# KiCad board FC_V5.kicad_pcb (continued)
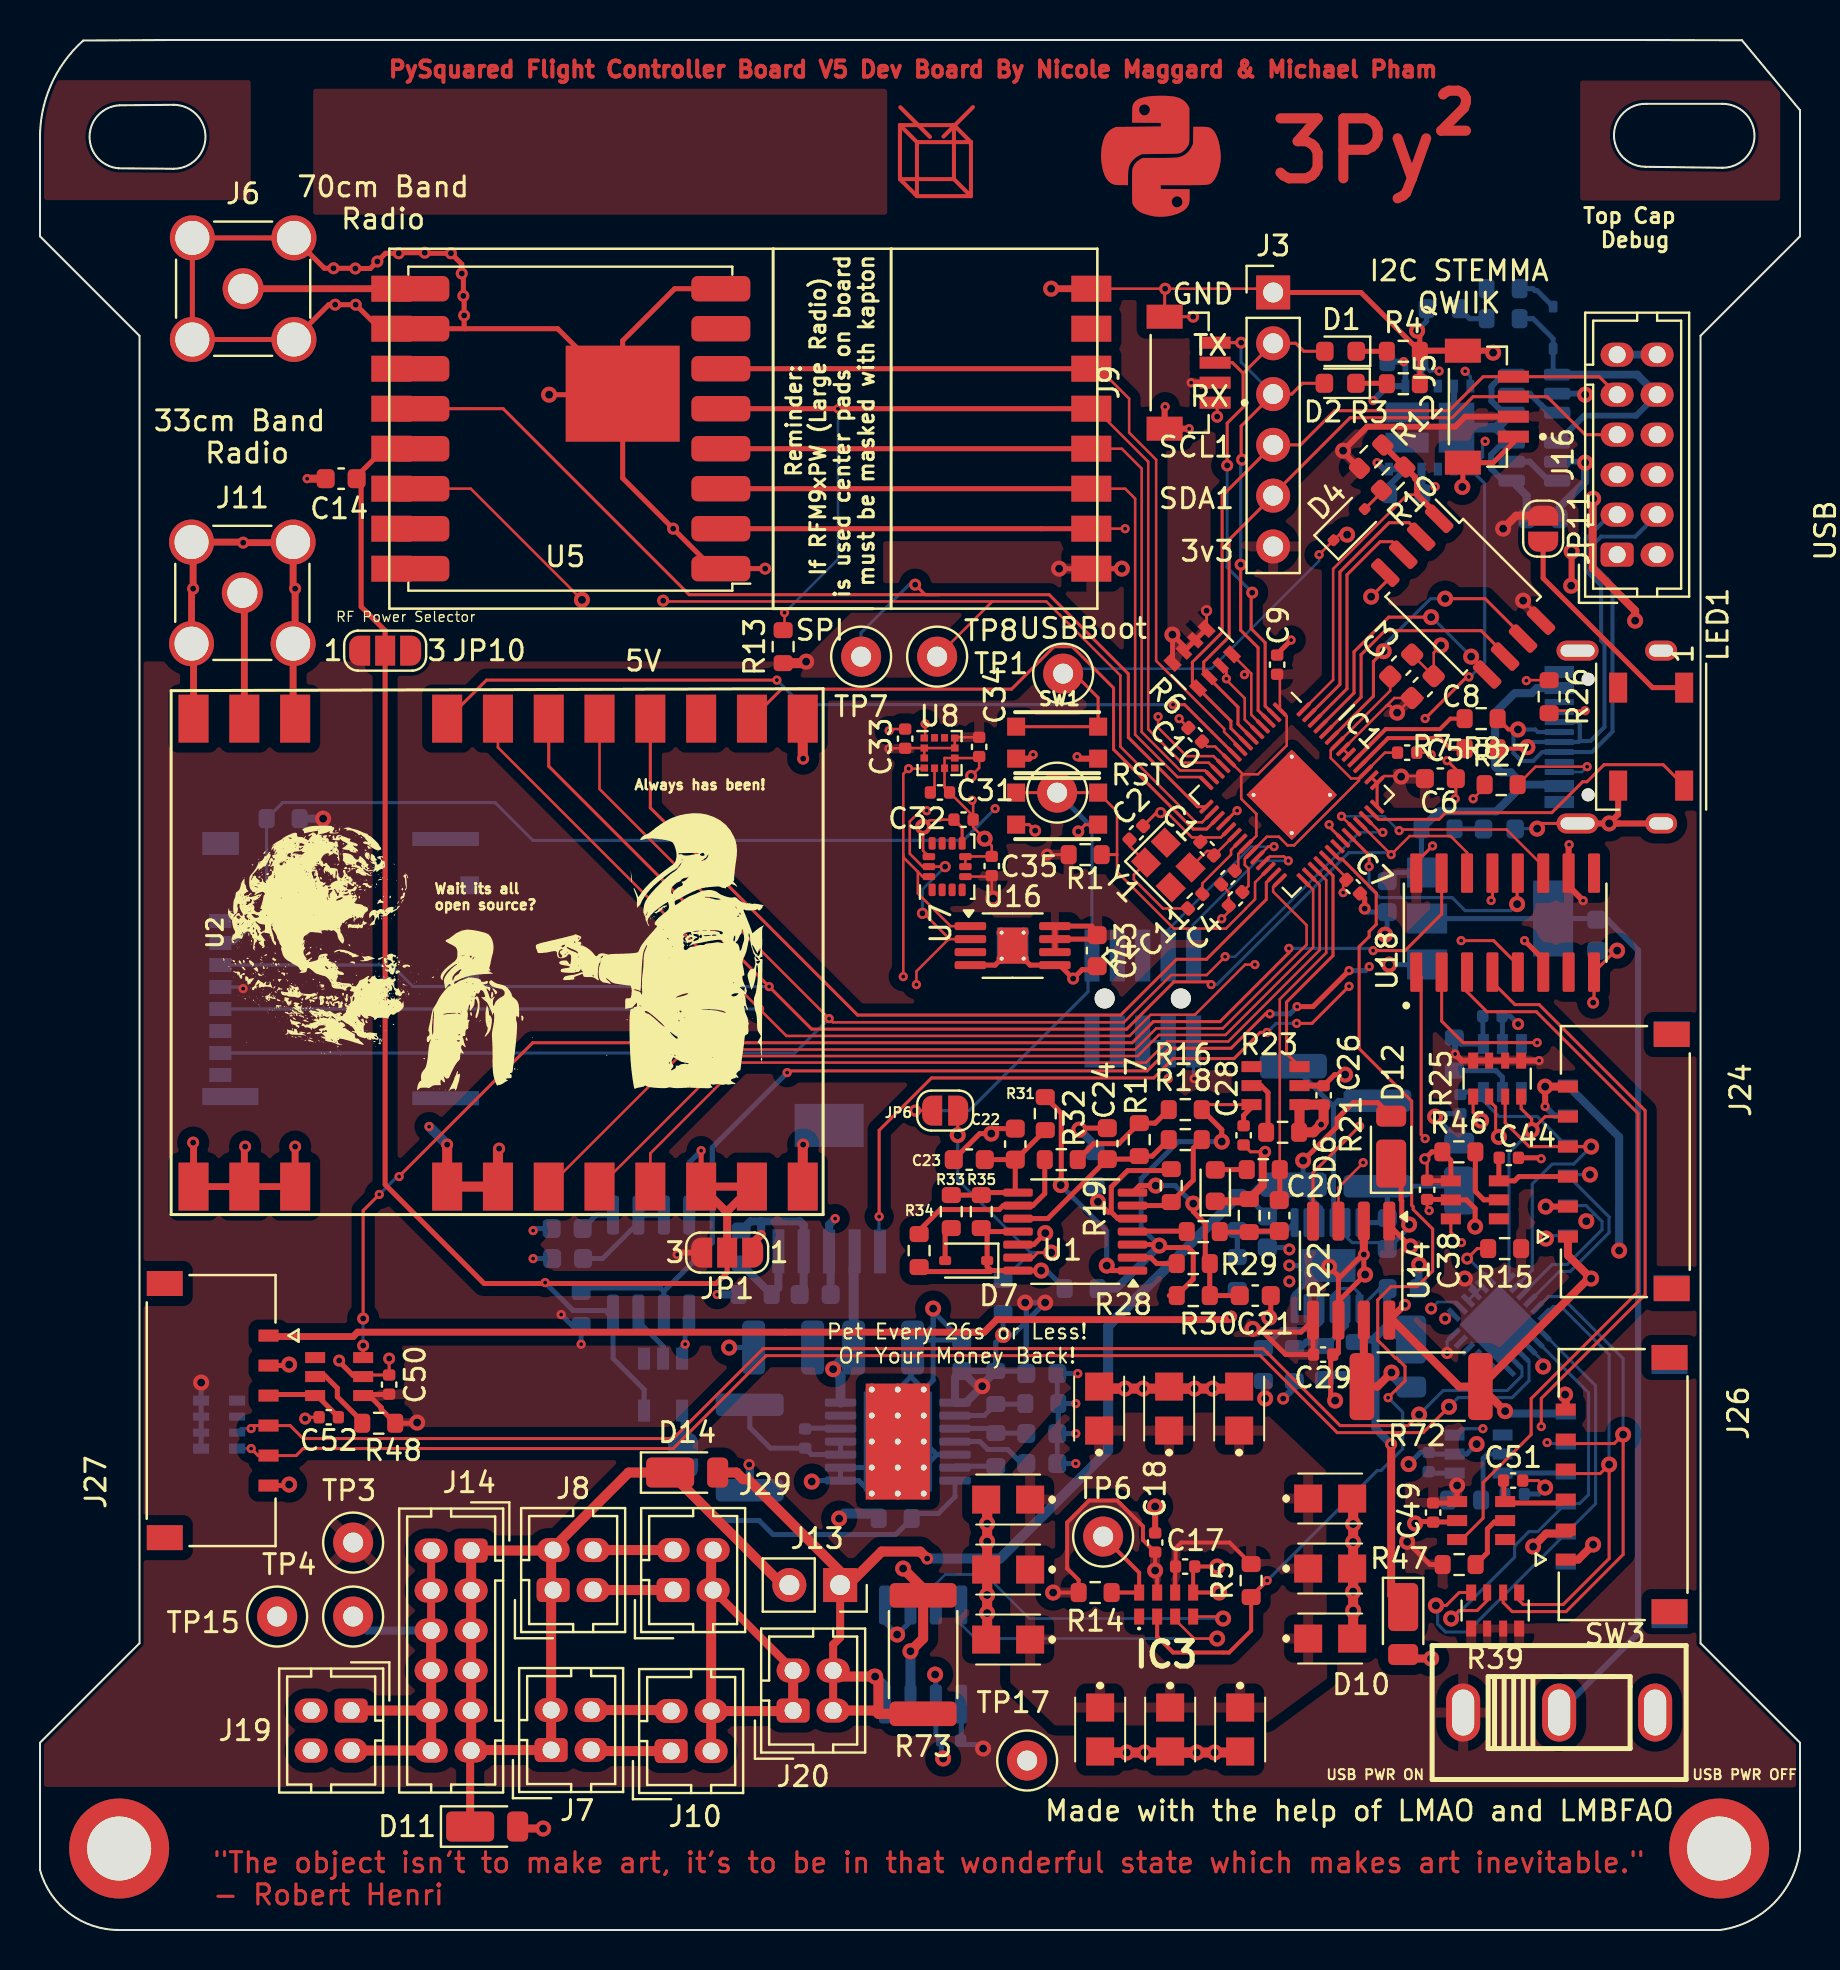
[diagram p0: board, top side]
## Routing (per net, layer and track width the routed paths; a pad name or vN(x,y) marks a point on that pad's centre or on a via; arc(x,y) is an arc through that point) (continued)
VBatt: length 47.7
  Top w0.4: J14.11 21.51,8.92 D11.1
  Top w0.5: J13.2 37.13,17.25 D14.1 29.43,22.87 25.53,18.97 J14.1 J14.3 J14.5 J14.7 J14.9 J14.11 21.58,9 J7.1 25.56,19
VBATT_SENSE: length 75
  Top w0.25: v1(63.16,38.47) 64.86,40.17 64.86,40.57 65.66,41.37 66.88,41.37 D12.2
  Top w0.4: J20.2 J20.4 39.66,14.27 40.01,14.62 J13.1
  Top w0.5: v2(44.36,18.57) 44.01,18.92 42.08,18.92 39.96,16.8 39.96,17.97 35.39,22.54 35.15,22.54 34.82,22.87 D14.2 ; v1(41.76,12.67) 41.63,12.8 ; v1(41.76,12.67) 41.92,12.51 41.92,10.81 ; v1(41.76,12.67) 39.96,12.67 J20.4 ; J20.2 41.76,10.97 41.92,10.81 ; 41.92,10.81 R73.2
  Bottom w0.25: 60.49,36.76 61,37.27 R75.1 ; 60.49,36.76 60.49,36.56 C42.1 62.67,36.98 R75.1 ; 60.49,36.76 60.39,36.66 R71.2 ; R75.1 62.86,37.27 64.03,36.1 IC6.9 ; R75.1 63.16,37.76 v1(63.16,38.47)
  Bottom w0.5: U15.8 42.25,12.18 v1(41.76,12.67) ; R71.2 53.41,30.2 53.41,23.98 48,18.57 v2(44.36,18.57)
VBUS: length 20.9
  Bottom w0.25: C12.1 67.78,52.87 IC2.3 69.07,53.16 R9.1 69.36,54.78
  Bottom w0.4: R9.1 69.95,55.94 72.82,55.94 74.16,57.27 ; 74.16,57.27 73.55,57.88 73.05,57.88 72.76,58.17 72.76,60.87 73.73,61.85 74.58,61.85 74.84,62.1 J12.A4 ; 74.16,57.27 75.89,57.27 J12.A9
VBUS_RESET: length 61
  Top w0.152: v3(37.36,42.87) 37.44,42.96 55.36,42.96 56.49,44.09 59.55,44.09 61.28,45.81 v3(61.49,45.81)
  Top w0.25: v3(74.23,49.47) 75.16,48.54 U18.6 ; v3(65.45,47.97) 63.65,46.17 v3(62.86,46.17)
  In2.Cu w0.25: v3(74.23,49.47) 72.3,47.55 67.09,47.55 v3(66.46,48.17)
  Bottom w0.25: v3(62.86,46.17) 62.5,45.81 v3(61.49,45.81) ; R42.1 27.26,32.1 31.03,32.1 31.19,31.94 ; v3(66.46,48.17) 66.26,47.97 v3(65.45,47.97) ; 31.19,31.94 33.61,34.36 33.61,39.13 v3(37.36,42.87) ; 31.19,31.94 31.19,30.8
VBUSP: length 151.8
  Top w0.3: v1(76.56,67.22) 76.58,67.25 v1(76.58,68.94)
  Top w0.4: 77.13,73.25 v1(77.26,73.37)
  Top w0.5: v1(43.16,18.07) 44.16,17.07 R73.1 44.16,14.57 v1(43.52,13.94)
  In2.Cu w0.3: v1(77.26,76.77) v1(77.26,73.37) 76.66,72.77 76.66,69.01 v1(76.58,68.94) ; TP17.1 49.36,5.82 49.56,5.62 ; 49.56,5.62 59.43,5.62 68.13,14.32 76.13,14.32 80.06,18.25 80.06,27.4 76.21,31.25 76.21,33.13 80.96,37.88 80.96,53.07 79.26,54.77 79.26,64.52 v1(76.56,67.22) ; 49.56,5.62 46.05,5.62 43.56,8.11 43.56,13.9 v1(43.52,13.94)
  In2.Cu w0.5: v1(39.66,28.05) 39.66,20.87 v1(39.96,20.57) 40.66,20.57 v1(43.16,18.07)
  Bottom w0.3: Q7.5 77.21,73.42 v1(77.26,73.37) ; v1(77.26,76.77) 77.21,76.82 Q8.5
  Bottom w0.4: R59.1 75.98,71.15 77.26,72.43 v1(77.26,73.37)
  Bottom w0.5: 42.06,20.82 40.21,20.82 v1(39.96,20.57) ; U10.14 40.03,27.68 v1(39.66,28.05) 39.66,28.1 C19.1 ; C19.1 40.68,33.08 ; C19.1 40.03,28.47 ; v1(43.52,13.94) U15.7
/ANT2: length 6.4
  Top w0.342: U2.21 10.22,66.71 10.07,66.86
/D+: length 6.4
  Top w0.2: R8.1 70.52,60.57 69.99,60.05 67.28,60.05 66.4,59.16 66.4,59.16 IC1.47
/D-: length 6
  Top w0.2: IC1.46 67.4,59.6 69.99,59.6 70.52,59.07 R7.1
/Power Systems/V_RF: length 8.7
  Top w0.4: v3(36.06,34.77) 35.66,34.37 JP1.1
  Bottom w0.4: 36.06,35.44 37.99,35.44 38.19,35.24 U13.4 38.19,31.98 C39.2 ; 36.06,35.44 35.52,35.44 R63.1 ; 36.06,35.44 v3(36.06,34.77)
/QSPI_CS: length 18.6
  Top w0.127: IC1.56 63.18,61.04 64.66,62.51 64.66,68.06 68.37,71.77 68.86,71.77
  Top w0.3: R12.2 R10.1 68.76,72.64 68.76,72.57 68.86,72.47 68.86,71.77 70.26,70.37 70.26,70.37
/QSPI_DATA[0]: length 13.4
  Top w0.152: 72.66,62.58 71.56,63.67 v1(71.56,63.67) ; IC1.53 65.7,61.86 65.7,63.92 67.43,65.65 v1(69.56,65.65)
  Bottom w0.152: v1(69.56,65.65) 69.59,65.65 71.56,63.68 v1(71.56,63.67)
/QSPI_DATA[1]: length 13.6
  Top w0.152: 69.36,69.47 68.45,70.37 67.46,70.37 65,67.91 65,62.29 IC1.55
/QSPI_DATA[2]: length 12.1
  Top w0.152: IC1.54 65.35,62.07 65.35,67.77 67.01,69.43 67.61,69.43 68.46,68.57
/QSPI_DATA[3]: length 14.8
  Top w0.152: v1(70.26,66.57) 72.25,66.57 74.45,64.38 ; v1(67.18,63.95) 66.67,63.43 66.67,61.7 IC1.51
  Bottom w0.152: v1(70.26,66.57) 69.52,66.57 67.18,64.23 v1(67.18,63.95)
/QSPI_SCK: length 13.2
  Top w0.152: IC1.52 66.05,61.65 66.05,63.77 67.26,64.97 72.06,64.97 73.55,63.48
/Watchdog Circuit/WDT-VP: length 7.6
  Top w0.25: U1.5 53.89,35.57 53.56,35.9 ; 53.56,35.9 53.56,37.15 54.38,37.97 56.49,37.97 R19.2 ; 53.56,35.9 53.41,35.9 v1(52.9,36.42)
  Bottom w0.25: v1(52.9,36.42) 52.9,37.11 R20.1
B-: length 22.2
  Top w0.4: J14.2 J14.4 J14.6
  Top w0.5: J14.10 J14.8 J14.6 ; J14.10 J19.1 ; J14.10 J14.12 J19.3
  Bottom w0.4: TP4.1 16.36,14.97 J14.6
DEPLOY1: length 15.4
  Bottom w0.25: Q8.4 75.66,77.97 D8.1 75.66,79.57 74.66,80.57 R61.1
  Bottom w0.3: Q7.4 77.21,75.72 79.81,75.72 J16.10
  Bottom w0.4: Q8.4 79.86,77.77 J16.10
Dir_Chrg_In: length 124.4
  Top w0.4: D11.2 23.98,5.07 v1(25.16,5.07) ; v1(69.56,13.57) 68.36,13.57 D10.2 ; v1(77.66,71.57) 77.63,71.55 77.63,68.1 79.76,65.97 v1(79.76,65.47)
  In2.Cu w0.4: v1(25.16,5.07) 59.66,5.07 68.16,13.57 v1(69.56,13.57) 76.16,13.57 80.66,18.07 80.66,27.57 76.76,31.47 76.76,32.91 81.84,37.99 81.84,52.97 79.81,55.01 79.81,65.42 v1(79.76,65.47) ; J16.5 v1(77.66,71.57)
ENAB_RF: length 44.6
  Top w0.152: v3(65.45,47.19) 63.6,45.34 v3(62.83,45.34) ; 73.89,47.9 73.89,48.26 72.68,49.47 v3(71.06,49.47) ; v3(41.96,35.67) 41.96,39.99 44.57,42.61 55.69,42.61 56.66,43.57 59.7,43.57 61.01,44.88 v3(61.35,44.88)
  In2.Cu w0.152: v3(71.06,49.47) 70.08,50.45 66.98,50.45 65.96,49.43 65.96,47.7 v3(65.45,47.19)
  Bottom w0.152: v3(62.83,45.34) 61.8,45.34 v3(61.35,44.88) ; U13.1 41.96,33.98 v3(41.96,35.67)
F0_PWR: length 4.7
  Top w0.25: J24.3 73.94,37.67 73.73,37.46 72.94,37.46 ; 72.92,38.61 72.94,38.59 72.94,37.46 ; 72.94,37.46 72.92,37.48
F0_SCL: length 16.4
  Top w0.152: J24.4 v1(77.56,39.17) 74.46,39.17 73.26,40.37 R25.3
  Bottom w0.152: v1(77.56,39.17) 76.68,38.3 75.61,38.3 74.61,37.3 74.61,32.99 U12.2
F0_SDA: length 12
  Top w0.152: R25.4 74.06,41.07 74.58,40.55 v1(74.58,40) 75.26,40.67 J24.5 76.45,40.62
  Bottom w0.152: v1(74.58,40) 73.45,38.87 U12.1
F1_PWR: length 6.8
  Bottom w0.152: J25.3 76.32,39.22 74.87,40.68 72.95,40.68 72.17,41.46 U21.6
  Bottom w0.25: C48.1 71.14,41.9 72.17,41.9 72.21,41.86
F1_SCL: length 18.1
  Top w0.152: v1(72.06,40.47) 71.66,40.87 R25.1
  In2.Cu w0.152: v1(77.5,37.77) 76.2,39.08 74.56,39.08 73.16,40.47 v1(72.06,40.47)
  Bottom w0.152: v1(77.5,37.77) 76.44,37.77 J25.4 78.46,35.65 78.46,34.87 76.51,32.93 75.97,32.93 U12.4
F1_SDA: length 16.6
  Top w0.152: v1(72.94,39.66) 72.78,39.82 72.78,41.15 72.46,41.47 R25.2
  In2.Cu w0.152: v1(72.94,39.66) 77.16,35.44 v1(77.32,35.44)
  Bottom w0.152: 77.71,35.82 77.7,35.82 v1(77.32,35.44) ; 77.71,35.82 78.1,35.43 78.1,35.02 76.37,33.28 75.61,33.28 U12.3 ; 77.71,35.82 77.31,36.22 J25.5
F2_PWR: length 4.3
  Top w0.25: J26.3 76.12,21.35 73.19,21.35 73.19,22.42 73.11,22.5
F2_SCL: length 22.9
  Top w0.152: 76.29,22.82 78.01,22.82 v1(78.46,23.27) 78.46,18.57 76.16,16.27 74.16,16.27 73.96,16.47 R39.1
  Bottom w0.152: v1(78.46,23.27) 78.46,28.77 76.06,31.17 75.66,31.17 75.25,30.77 U12.6
F2_SDA: length 26.5
  Top w0.152: 76.29,24.32 78.71,24.32 v1(79.16,24.77) 79.16,18.78 76.3,15.92 73.61,15.92 73.16,16.37 R39.2
  Bottom w0.152: v1(79.16,24.77) 79.16,28.57 76.06,31.67 75.42,31.67 U12.5
F3_PWR: length 4.6
  Bottom w0.25: 73.13,22.02 73.35,21.8 ; J28.3 76.26,22.85 73.13,22.85 73.13,21.92 C55.1
F3_SCL: length 21
  Top w0.152: v1(70.56,15.57) 70.96,15.97 71.86,15.97 72.36,16.47 R39.3
  Bottom w0.152: v1(70.56,15.57) 70.66,15.57 73.73,18.64 73.73,19.2 74.45,19.92 74.89,19.92 J28.4 76.98,21.32 77.43,21.77 77.43,26.86 U12.8
F3_SDA: length 23.4
  Top w0.152: R39.4 70.96,16.87 70.31,16.23 v1(69.8,16.23)
  Bottom w0.152: v1(69.8,16.23) 69.88,16.31 69.88,15.29 70.28,14.9 71.36,14.9 J28.5 77.78,21.32 77.78,27.22 U12.7
F4_PWR: length 4.4
  Top w0.25: 11.56,26.59 J27.3 11.48,26.78 13.79,26.78 14.92,25.65 C52.1 15.04,25.76
F4_SCL: length 69.9
  Top w0.152: v3(10.56,25.07) 10.71,25.22 J27.4 12.51,25.22 13.16,24.57 31.66,24.57 36.16,29.07 61.16,29.07 65.01,25.22 68.41,25.22 v1(68.96,25.77)
  Bottom w0.152: v3(10.56,25.07) 10.06,25.07 R45.3 ; v1(68.96,25.77) 70.16,26.97 73.36,26.97 74.1,27.71 74.1,28.07 U12.11
F4_SDA: length 70.9
  Top w0.152: v1(70.45,26.16) 69.16,24.87 64.86,24.87 61.01,28.72 36.3,28.72 31.66,24.07 13.16,24.07 12.81,23.72 J27.5 10.91,23.72 v3(10.56,24.07)
  Bottom w0.152: U12.10 74.45,28.43 74.45,27.47 73.6,26.62 70.9,26.62 70.45,26.17 v1(70.45,26.16) ; v3(10.56,24.07) R45.4
FACE0_ENABLE: length 15.9
  Top w0.152: U18.1 69.06,47.65 69.06,39.77 v3(69.26,39.57) ; U19.3 70.54,34.89 71.06,34.37 v3(71.07,34.37)
  In2.Cu w0.152: v3(71.07,34.37) 71.07,37.71 69.26,39.52 v3(69.26,39.57)
FACE1_ENABLE: length 8.5
  Top w0.152: v3(74.86,44.37) 71.16,44.37 70.08,45.45 U18.2
  Bottom w0.152: v3(74.86,44.37) 74.14,44.37 U21.3
FACE2_ENABLE: length 37.2
  Top w0.152: U22.3 71.08,19.52 72.16,20.6 72.16,22.37 74.56,24.77 74.56,26.57 79.9,31.92 79.9,40.83 74.81,45.92 72.34,45.92 71.35,46.91 U18.3
FACE3_ENABLE: length 33.3
  Top w0.152: U18.4 72.62,47.4 73.75,46.27 74.96,46.27 80.26,40.97 80.26,31.77 78.09,29.6 75.06,26.58 v3(75.06,25.17)
  In2.Cu w0.152: v3(72.14,25.07) 72.25,25.17 v3(75.06,25.17)
  Bottom w0.152: v3(72.14,25.07) 71.05,25.07 U24.3
FACE4_ENABLE: length 69.6
  Top w0.152: 70.08,52.85 70.08,50.8 68.25,48.97 v3(66.66,48.97) ; v2(16.16,29.22) 16.16,28.68 ; v3(62.45,49.09) 62.45,48.87 59,45.42 55.67,45.42 54.61,44.37 24.64,44.37 17.96,37.69 v3(17.96,37.67) ; v2(16.16,30.57) 16.16,35.97 v3(16.96,36.78)
  Bottom w0.152: v3(17.96,37.67) 17.86,37.67 v3(16.96,36.78) ; v3(62.45,49.09) 66.55,49.09 v3(66.66,48.97) ; v2(16.16,30.57) v2(16.16,29.22)
FC_RESET: length 77.6
  Top w0.127: SW2.A 53.85,55.93 53.85,52.92 56.69,50.07 58.88,50.07 58.88,50.07 59.29,50.07 60.28,51.06 60.28,51.07 60.75,51.55 60.75,52.39 IC1.26
  Top w0.152: JP6.2 v2(43.76,40.97) 43.76,41.17 ; R1.2 53.85,53.77 ; SW2.A SW2.A'
  In2.Cu w0.152: TP2.1 57.7,56.87 66.23,65.4 66.24,65.4 68.74,67.9 79.98,67.9 J16.2
  Bottom w0.152: 52.56,55.17 52.6,55.13 J1.10 52.4,48.54 52.4,46.92 46.46,40.97 v2(43.76,40.97)
  Bottom w0.25: 52.56,55.17 TP2.1
FIRE_DEPLOY1_A: length 31
  Top w0.152: IC1.36 64.46,55.18 v3(64.46,55.27) ; v3(69.26,60.58) 71.34,62.66 v3(71.44,62.66)
  In2.Cu w0.152: v3(69.26,60.58) 69.25,60.58 64.46,55.79 v3(64.46,55.27) ; v3(69.96,77.95) 72.26,75.65 v3(72.26,74.44)
  Bottom w0.152: v3(71.44,62.66) 71.5,62.66 72.23,63.39 72.23,72.33 Q4.1 72.13,73.66 72.13,74.32 v3(72.26,74.44) ; R56.1 69.49,77.95 v3(69.96,77.95)
  Bottom w0.4: R56.1 69.02,77.26 Q4.9
FIRE_DEPLOY1_B: length 11.1
  In2.Cu w0.152: v3(69.76,72.17) 69.45,72.48 69.45,78.17 69.74,78.46 70.74,78.46 v3(71.26,77.94)
  Bottom w0.152: R41.1 69.47,72.17 v3(69.76,72.17) ; v3(71.26,77.94) 71.52,77.68 Q4.12
  Bottom w0.3: R41.1 69.12,73.01 Q4.4
NEOPIX: length 17.3
  Top w0.152: IC1.41 66.93,55.54 69.94,55.54 70.28,55.87 75.59,55.87 77.14,57.42 77.35,57.42 78.2,58.27 81.16,58.27 LED1.4
READ_DEPLOY1: length 1.6
  Bottom w0.25: R62.1 71.48,80.57 R61.2
RF1_ANT: length 8.8
  Top w0.3: U5.9 17.57,82.07 U4.1
  Top w0.342: J6.1 10.16,82.07 U4.1
RF1_IO0: length 54.6
  Top w0.127: 47.66,66.43 47.62,66.43 TP8.1 ; 47.66,66.43 31.2,66.43 v2(31.16,66.47) ; 47.66,66.43 50.32,66.43 54.02,62.73 54.02,59.18 57.8,55.39 58.1,55.39 IC1.16 ; v1(27.1,66.51) 21.54,72.07 U5.14 18.99,72.07 U4.6
  In1.Cu w0.127: 44.86,63.27 TP8.1
  In2.Cu w0.127: v2(31.16,66.47) 31.12,66.51 v1(27.1,66.51)
RF1_IO4: length 57.2
  Top w0.127: U5.12 18.99,76.07 U4.4
  Top w0.152: 44.96,66.77 50.46,66.77 54.42,62.81 54.42,59.63 57.88,56.17 IC1.15 ; 44.96,66.77 32.46,66.77 23.16,76.07 U5.12 ; 44.96,66.77 44.26,66.77 v2(43.76,67.27)
  Bottom w0.152: v2(43.76,67.27) 43.46,67.27 41.06,64.87 TP7.1
  Bottom w0.2: TP7.1 40.99,63.61
RF1_RST: length 40.9
  Top w0.127: IC1.8 60.01,59.11 59.21,59.91 59.21,60.06 55.81,63.46 55.81,73.52 54.46,74.87 54.46,76.57 52.96,78.07 U4.14
  Top w0.25: U4.14 34.04,78.07 34.04,78.07
RF2_IO0: length 43.3
  Top w0.127: IC1.30 63.98,52.26 63.98,49 59.41,44.43 56.35,44.43 55.29,43.37 35.06,43.37 30.52,38.83 U2.8
RF2_IO4: length 30.6
  Top w0.152: U2.13 37.07,62.05 48.58,62.05 50.7,64.17 51.61,64.17 53.68,62.11 53.68,59.03 57.66,55.05 58.33,55.05 IC1.17
RF2_RST: length 43.4
  Top w0.152: U2.15 30.52,56.11 40.88,45.75 54.03,45.75 56.82,48.54 58.32,48.54 61.32,51.53 61.32,52.38 IC1.27
RF2_RX_EN: length 47
  Top w0.127: IC1.28 61.66,52.16 61.66,51.92 63.33,50.25 63.33,49.27 59.14,45.08 55.81,45.08 54.75,44.03 32.29,44.03 U2.6
RF2_TX_EN: length 44.2
  Top w0.127: IC1.29 63.66,52.02 63.66,49.14 59.28,44.76 55.94,44.76 54.89,43.7 34.5,43.7 U2.7
RF_VCC: length 82.9
  Top w0.25: U5.13 17.57,74.07 U4.5 17.22,74.07 16.06,72.91 16.06,66.17 17.26,64.97 JP10.2 17.26,37.27 22.2,32.33 33.81,32.33 34.36,32.87 JP1.2 ; v3(33.06,38.97) U2.9
  Top w0.4: 34.36,35.93 34.3,35.93 U2.9 U2.10 34.36,35.93 ; 34.36,35.93 JP1.2
  Bottom w0.25: v3(25.26,32.37) 26.66,30.97 28.26,30.97 28.43,30.8 28.65,30.8 28.65,28.58 30.21,27.02 U20.5 ; U17.8 32.46,38.38 v3(33.06,38.97)
RTC_INT: length 54.7
  Top w0.152: IC1.34 64.95,53.56 65.1,53.56 66.81,51.85 66.81,50.29 66.46,49.93 66.46,49.67 65.96,49.18 65.96,44.07 68.58,41.45 68.58,36.25 68.66,36.17 68.66,36.03 69.63,35.05 69.63,32.95 68.86,32.17 67.55,32.17 66.89,31.51 66.89,29.49 67.78,28.6 67.83,28.6 68.25,28.18 68.25,27.47 v3(67.4,26.62)
  Top w0.2: v3(61.36,17.47) 60.56,16.67 R5.1 60.56,14.97 59.46,13.87 56.66,13.87 55.86,14.67 IC3.2
  Bottom w0.152: v3(61.36,17.47) 66.86,22.97 67.05,22.97 68.13,24.06 68.13,25.89 v3(67.4,26.62)
RX: length 24.9
  Top w0.152: IC1.3 60.9,60.99 60.9,64.13 60.03,65 v2(60.03,68.27) ; v2(60.06,79.37) J9.4 ; v2(60.1,73.53) 60.06,73.57 60.06,75.2 J3.3 62.59,76.8 63.13,77.34 D2.2
  Bottom w0.152: J3.3 60.06,78.4 v2(60.06,79.37) ; v2(60.03,68.27) 60.03,73.46 v2(60.1,73.53)
SCL0: length 36.7
  Top w0.152: J16.9 77.96,77.67 J5.4 72.16,77.67 70.46,75.97 64.74,75.97 63.03,74.26 J3.4 59.1,71.71 59.1,64.89 57.62,63.4 57.62,62.38 R6.1 59.55,60.45 59.55,60.09 IC1.7
SCL1: length 122.3
  Top w0.127: IC1.5 60.24,60.53 60.24,61.59 59.32,62.51 59.32,62.94 R6.3 59.32,62.94 v3(59.32,62.57) ; U16.2 45.48,49.55 45.46,49.57 ; v3(44.33,55.97) 44.03,55.97 43.49,55.44 43.49,53.82 44.13,53.17 U7.13 v4(45.26,53.17) ; IC3.3 56.76,15.52 57.71,14.57 v1(58.86,14.57) ; v3(44.26,60.31) 44.26,59.65 U8.1 ; 45.46,49.57 44.19,50.84 v4(44.12,50.84) ; 45.46,49.57 43.82,47.94 v3(43.82,47.27)
  Top w0.152: v3(65.98,40.2) 63.65,37.87 U14.4
  In2.Cu w0.127: v3(59.32,62.57) 56.15,62.57 55.09,61.51 45.45,61.51 v3(44.26,60.31) 42.93,58.99 42.93,57.37 v3(44.33,55.97) ; v1(58.86,14.57) 59.1,14.57 60.19,15.67 60.19,18.24 68.69,26.75 68.79,26.75 68.79,29.11 v2(70.26,30.57) 70.26,31.17 68.82,32.61 68.02,32.61 67.79,32.84 67.79,37.2 66.65,38.34 66.65,39.53 v3(65.98,40.2) 64.24,41.94 47.99,41.94 43.82,46.11 v3(43.82,47.27)
  In2.Cu w0.2: 59.15,14.57 v1(58.86,14.57)
  Bottom w0.127: v4(45.26,53.17) 44.12,52.04 v4(44.12,50.84) ; v1(58.86,14.57) 46.76,14.57 46.06,15.27 46.06,16.25
  Bottom w0.2: U12.19 70.45,30.77 v2(70.26,30.57)
SDA0: length 34.6
  Top w0.152: J16.7 77.26,74.77 75.36,76.67 J5.3 71.66,76.67 70.6,75.62 65.5,75.62 61.66,71.77 J3.5 59.46,69.52 59.46,64.67 58.19,63.4 58.19,62.94 R6.2 58.47,62.58 59.9,61.15 59.9,60.3 IC1.6
SDA1: length 121.6
  Top w0.127: 43.89,52.91 43.16,53.64 43.16,53.77 ; 43.89,52.91 43.89,51.84 45.53,50.2 U16.1 ; 43.89,52.91 44.13,52.67 U7.14 ; IC3.4 59.06,15.67 v1(59.16,15.57) ; 43.16,53.77 v3(43.16,47.67) ; 43.16,53.77 43.16,57.81 v3(43.43,58.07) 44.18,58.07 U8.4 ; 64.92,35.45 64.92,37.12 66.16,38.36 ; R6.4 60.56,62.83 60.56,60.77 IC1.4
  In2.Cu w0.127: v3(43.43,58.07) 43.43,58.79 45.82,61.18 55.23,61.18 56.02,61.97 59.42,61.97 v3(60.22,62.77) ; v3(43.16,47.67) 43.16,46.03 47.58,41.61 63.82,41.61 66.16,39.27 v3(66.16,38.37) 67.47,37.06 67.47,32.7 67.88,32.28 68.68,32.28 69.56,31.41 v2(69.56,31.07) 68.47,29.98 68.47,26.98 59.71,18.23 59.71,16.13 v1(59.16,15.57)
  In2.Cu w0.2: 59.16,15.67 v1(59.16,15.57)
  Bottom w0.127: v2(69.56,31.07) 69.88,31.4 70.77,31.4 U12.20 ; 44.79,16.25 44.79,17.31 45.26,17.77 47.27,17.77 49.47,15.57 v1(59.16,15.57)
SPI0_CS0: length 52.4
  Top w0.127: v3(37.23,65.87) 37.23,65.07 R13.2 ; IC1.12 58.43,58.37 57.08,58.37 55.41,60.05 55.41,73.42 52.76,76.07 U4.13
  Top w0.25: U4.13 v3(39.9,76.07) 34.04,76.07 34.04,76.07
  Bottom w0.127: v3(39.9,76.07) 39.9,68.54 v3(37.23,65.87)
SPI0_MISO: length 34.9
  Top w0.127: v3(55.9,60.67) 55.9,60.13 57.33,58.7 58.67,58.7 IC1.11 ; v3(54.26,70.07) U4.10
  Top w0.25: 34.04,70.07 50.08,70.07 50.08,70.07 U4.10
  In1.Cu w0.127: v3(54.26,70.07) 55.96,68.37 55.96,60.73 v3(55.9,60.67)
SPI0_MOSI: length 37.3
  Top w0.127: U4.11 54.26,72.07 54.76,71.57 54.76,59.77 56.88,57.65 58.02,57.65 IC1.14
  Top w0.25: 34.04,72.07 34.04,72.07 U4.11
SPI0_SCK: length 39.1
  Top w0.127: U4.12 54.09,74.07 55.08,73.08 55.08,59.91 57.01,57.98 58.26,57.98 IC1.13
  Top w0.25: U4.12 34.04,74.07 34.04,74.07
SPI1_CS0: length 41.7
  Top w0.152: IC1.9 57.23,61.27 v3(56.66,61.27) ; U2.19 20.39,60.57 22.32,62.5 v3(36.84,62.5)
  Bottom w0.152: v3(36.84,62.5) 38.07,61.27 v3(56.66,61.27)
SPI1_CS1: length 59.6
  Top w0.152: IC1.18 59.82,55.97 v3(59.86,55.97)
  In2.Cu w0.152: v3(47.76,56.07) 48.26,55.57 51.36,55.57 52.22,56.43 59.4,56.43 v3(59.86,55.97)
  Bottom w0.152: J4.2 9.72,49.35 11.33,50.97 R11.1 12.13,56.37 22.76,56.37 24.65,54.49 46.17,54.49 v3(47.76,56.07)
SPI1_MISO: length 83.8
  Top w0.127: v3(59.26,48.67) 58.33,47.75 56.55,47.75 54.19,45.39 39.64,45.39 27.98,57.05 U2.16 ; v3(67.14,54.89) 67.01,54.89 IC1.40
  Bottom w0.127: v3(67.14,54.89) 65.97,54.89 59.76,48.67 v3(59.26,48.67)
  Bottom w0.152: v3(39.46,45.57) 37.74,43.85 J4.7
SPI1_MOSI: length 89.4
  Top w0.127: IC1.39 66.96,54.37 v3(67.56,53.77) 68.49,54.7 70.53,54.7 71.35,53.88 71.35,52.85
  Top w0.152: U2.17 25.44,58.19 38.58,45.05 54.33,45.05 56.69,47.41 58.42,47.41 v3(58.56,47.27)
  Bottom w0.152: v3(36.46,47.17) 18.66,47.17 17.58,48.25 J4.3 ; v3(58.56,47.27) 58.84,47.27 65.44,53.87 67.46,53.87 v3(67.56,53.77)
SPI1_SCK: length 95.5
  Top w0.127: U2.18 22.9,59.13 37.32,44.71 54.47,44.71 55.53,45.76 57.75,45.76 60.26,48.27 v3(60.74,48.27) ; v3(67.96,54.97) 68.01,55.03 73.33,55.03 75.16,53.2 75.16,52.85 ; v3(65.07,55.69) IC1.38
  In2.Cu w0.127: v3(65.07,55.69) 65.26,55.51 65.26,52.86 60.74,48.35 v3(60.74,48.27)
  Bottom w0.127: v3(67.96,54.97) 67.94,54.96 67.94,54.96 67.21,55.69 v3(65.07,55.69)
  Bottom w0.152: v3(35.98,46.05) J4.5
SR_LATCH: length 12.6
  Top w0.152: v1(73.86,51.3) 73.86,52.27 73.89,52.31 73.89,52.85 ; v3(66.46,53.17) 66.46,53.74 IC1.37
  Bottom w0.152: v1(73.86,51.3) 73.53,50.98 71.26,50.98 70.61,51.63 66.99,51.63 66.46,52.16 v3(66.46,53.17)
SWCLK: length 9
  Top w0.127: v3(61.7,54.18) 61.41,54.18 IC1.24
  Bottom w0.127: v3(61.7,54.18) 60.56,54.18 56.37,49.98 56.37,49.13
SWDIO: length 8.1
  Top w0.127: IC1.25 61.49,53.68 62.2,53.68 v3(62.42,53.46)
  Bottom w0.127: 57.64,49.81 57.64,50.25 60.85,53.46 v3(62.42,53.46)
TX: length 24.9
  Top w0.152: 60.16,77.84 J3.2 62.79,79.34 63.19,78.94 D1.2 ; 60.16,77.84 59.63,78.37 J9.3 ; 60.16,77.84 60.16,76.15 59.36,75.35 v2(59.36,73.24) ; IC1.2 61.26,61.21 61.26,64.37 60.56,65.07 60.56,66.82 v2(60.61,66.87)
  Bottom w0.152: v2(59.36,73.24) 59.36,68.13 60.61,66.88 v2(60.61,66.87)
USB_D+: length 24.2
  Top w0.2: v1(73.9,60.03) 73.42,60.03 R8.2
  Bottom w0.2: v1(73.9,60.03) 73.67,59.81 73.67,58.86 74.08,58.45 74.66,58.45 75.11,58.9 J12.B6 77.61,58.9 78.63,59.93 78.63,67.11 78.46,67.28 78.46,67.46 77.73,68.19 77.73,69.36 78.05,69.67 79.76,69.67 J16.4 ; v1(73.9,60.03) 74.76,60.03 74.89,59.9 J12.A6 ; v1(73.9,60.03) 74.12,59.81
USB_D-: length 19.6
  Top w0.2: v1(74.37,59.15) 74.29,59.07 R7.2
  Bottom w0.2: 76.99,59.45 76.99,60.35 76.94,60.4 J12.B7 ; 76.99,59.45 76.94,59.4 J12.A7 74.62,59.4 v1(74.37,59.15) ; 76.99,59.45 77.52,59.45 78.23,60.16 78.23,64.31 78.06,64.48 78.06,67.23 77.28,68 77.28,69.55 78.51,70.77 J16.3
USBBOOT: length 38.8
  Top w0.127: v3(63.96,68.77) D4.1 64.96,69.77 v1(65.36,69.77)
  Top w0.152: 51.46,63.07 52.91,61.62 SW1.A SW1.A'
  In2.Cu w0.127: v1(65.36,69.77) 66.86,68.27 78.36,68.27 J16.1
  Bottom w0.127: 51.46,63.07 58.57,63.07 63.96,68.46 v3(63.96,68.77)
V_BACKUP: length 6.6
  Top w0.2: 60.56,18.3 59.48,19.37 57.06,19.37 56.78,19.09 C17.1 56.76,18.15 IC3.6
V_RBF: length 21.8
  Top w0.4: J20.3 37.66,13 J29.2
  Top w0.5: J10.4 33.56,19 ; J10.4 J10.2 ; J10.4 37.63,10.95 J20.1 J20.3
VSOLAR: length 143.6
  Top w0.342: v2(68.25,31.26) 68.22,31.26 67.46,30.5 ; J27.1 11.48,29.67 15.66,29.67 15.88,29.9 47.21,29.9 47.84,30.52 59.4,30.52 v2(59.56,30.67)
  Top w0.4: R72.2 70.96,27.17 67.63,30.5 67.46,30.5 ; R72.2 73.25,25.95 v1(73.26,25.95) ; R72.2 77.42,32.57 v1(77.56,32.57) 76.4,33.73 J24.1 ; J26.1 76.91,18.52 v1(77.66,19.27)
  In2.Cu w0.342: v2(68.25,31.26) 68.11,31.4 60.28,31.4 v2(59.56,30.67)
  In2.Cu w0.4: v1(77.66,19.27) 77.66,23.87 75.59,25.95 v1(73.26,25.95) ; v1(77.56,32.57) 82.46,37.47 82.46,71.17 J16.6
  Bottom w0.4: J25.1 78.96,39.65 v1(78.96,33.97) ; J28.1 73.38,25.82 v1(73.26,25.95)
VSOLAR_I: length 6.1
  Top w0.4: 66.19,30.5 66.19,27.27 R72.1 66.87,27.17 v1(67.57,27.87)
  Bottom w0.4: 68.16,27.15 67.57,27.73 v1(67.57,27.87)
WDT_BIAS: length 24.4
  Top w0.152: R16.1 58.34,41.27 U3.6
  Top w0.25: U3.6 60.58,41.13 60.18,40.74 60.18,40.22 ; U1.3 55.91,34.27 v1(55.96,34.22) 56.06,34.12 57.41,34.12 57.66,33.87 57.66,32.55 R30.1 56.46,31.72 ; R16.1 59.09,40.02 v1(59.09,39.42)
  Bottom w0.25: v1(59.09,39.42) 56.91,39.42 55.06,37.58 55.06,35.13 v1(55.96,34.22)
  Bottom w0.4: R36.2 53.81,32.07 v1(55.96,34.22)
WDT_ENABLE: length 11.7
  Top w0.152: IC1.32 64.65,52.72 64.65,48.73 62.33,46.4 62.33,43.82 U3.3
WDT_WDI: length 17.8
  Top w0.127: IC1.31 64.31,52.49 64.31,48.87 61.99,46.54 R21.1
  Top w0.25: 61.96,36.5 61.99,36.52 R21.1
~{CHARGE}: length 4
  Bottom w0.25: IC6.4 64.03,30.37 63.68,30.02 62.11,30.02 61.47,29.38 61.47,29.1
~{MUX_RESET}: length 2.8
  Top w0.152: v2(71.36,33.57) 71.86,34.07 R15.2
  Bottom w0.152: U12.24 71.43,33.57 v2(71.36,33.57)
Net-(C2-Pad2): length 5.9
  Top w0.127: R2.2 56.15,51.08 54.69,52.54 54.69,52.78 Y1.1 54.48,54.2 C2.2
Net-(C20-Pad2): length 3
  Top w0.25: R28.1 59.01,34.9 R22.1 60.51,34.95 C20.2
Net-(D1-K): length 1.5
  Top w0.25: D1.1 R4.1
Net-(D2-K): length 1.6
  Top w0.25: R3.1 67.32,77.34 D2.1
Net-(D3-A): length 1.5
  Bottom w0.25: D3.2 72.17,55.06 R9.2
Net-(D4-A): length 1.2
  Top w0.152: D4.2 67.07,71.89
Net-(D6-A): length 1.5
  Top w0.25: R21.2 58.85,38.02
Net-(D7-Pad2): length 1.8
  Top w0.25: R33.1 45.26,34.79 D7.2
Net-(D8-Pad2): length 2
  Bottom w0.25: R60.2 74.66,82.07 74.76,81.97 74.86,81.97 D8.2
Net-(D10-K): length 25.5
  Top w0.4: 68.16,16.15 67.56,16.75 v2(67.56,24.29)
  Bottom w0.152: IC6.1 66.98,32.07 C40.1 ; IC6.1 65.98,29.48 66.06,29.4 ; IC6.1 65.98,31.82 65.72,32.07 64.96,32.07 64.68,31.8 IC6.3
  Bottom w0.4: 66.66,29.52 66.77,29.41 66.77,25.08 v2(67.56,24.29) ; 66.66,29.52 67.36,30.22 ; 66.66,29.52 66.18,29.52 66.06,29.4 ; 67.36,30.22 67.36,32.05 C40.1 ; 67.36,30.22 68.06,29.52 D9.1
Net-(D12-K): length 8.1
  Top w0.25: D12.1 68.06,37.82 68.06,36.51 68.09,36.48 68.09,35.64 v1(68.46,35.27)
  Bottom w0.152: IC6.11 65.33,34.65 65.61,34.37 67.05,34.37 C41.2
  Bottom w0.25: v1(68.46,35.27) 68.46,35.15 C41.2
Net-(D13-K): length 7.5
  Bottom w0.25: IC6.12 67.13,35.37 C41.1 67.37,36.7 L2.1 70.74,37.2 D13.1
Net-(IC1-XIN): length 2.9
  Top w0.127: Y1.3 58.35,53.95 58.93,53.95 IC1.20
Net-(IC1-XOUT): length 3.5
  Top w0.127: 60.01,54.44 IC1.21 59.55,54.01 59.55,53.77 58.12,52.34 R2.1
Net-(IC3-EVI): length 4.9
  Top w0.2: R14.1 IC3.8 54.96,17.87 TP6.1
Net-(IC6-SENSE): length 11.3
  Bottom w0.25: 67.17,41.47 64.9,41.47 64.65,41.21 ; 64.65,41.21 64.68,41.18 IC6.10 ; 64.65,41.21 R75.2
Net-(IC6-VFB): length 4.4
  Bottom w0.25: R71.1 R74.2 ; 59.87,34.91 62.27,34.91 IC6.7
Net-(IC6-VIN_REG): length 3.8
  Bottom w0.25: 64.52,29.26 64.52,29.41 65.33,30.22 IC6.2
  Bottom w0.342: 64.52,29.41 63.32,29.41 63.02,29.1
Net-(J10-Pin_1): length 4
  Top w0.5: J7.2 27.61,8.95 J10.1
Net-(J10-Pin_3): length 4
  Top w0.5: J7.4 31.51,11 J10.3
Net-(J12-CC1): length 3.2
  Top w0.127: 75.46,60.85 75.58,60.97 v3(77.26,60.97)
  Bottom w0.127: J12.A5 76.03,60.97 v3(77.26,60.97)
Net-(J12-CC2): length 5.4
  Top w0.127: R27.2 74.78,58.17 v3(77.36,58.17)
  Bottom w0.127: v3(77.36,58.17) 77.09,57.9 J12.B5
Net-(J29-Pin_1): length 4
  Top w0.5: 27.56,17 31.56,17
Net-(J29-Pin_3): length 4
  Top w0.5: 31.56,19 27.56,19
Net-(JP2-A): length 1.6
  Bottom w0.25: JP2.1 32.16,25.92 U20.4
Net-(JP2-B): length 16.9
  Bottom w0.25: R124.2 42.78,19.77 36.66,19.77 35.96,20.47 33.76,20.47 32.16,22.07 JP2.2 ; U10.7 45.75,21.66 44.91,20.82 43.71,20.82
Net-(JP6-A): length 13.5
  Top w0.152: U1.13 49.64,33.62 49.89,33.87 v1(50.56,33.87) ; 45.88,40.04 v1(45.88,39.75) 45.88,40.8 45.86,40.82
  Bottom w0.152: v1(45.88,39.75) 45.88,37.52 49.53,33.87 ; 49.53,33.87 R37.1 ; 49.53,33.87 v1(50.56,33.87)
Net-(JP11-B): length 11.1
  Top w0.25: LED1.1 80.63,62.12 75.16,67.6 JP11.2
Net-(Q7A-D): length 2.7
  Bottom w0.3: Q7.6 75.43,72.47 74.48,73.42 Q7.2
Net-(Q7A-G): length 17.1
  Bottom w0.3: Q7.1 73.16,72.47 72.56,73.08 72.56,73.77 73.16,74.37 Q7.3 ; Q8.3 73.16,77.77 72.57,77.19 72.57,76.46 73.16,75.87 Q8.1 ; Q4.11 70.7,75.25 Q4.13 70.7,75 Q4.2
  Bottom w0.4: R59.2 74.33,71.72 Q7.1
  Bottom w0.5: 72.83,75.12 Q7.3 ; 72.83,75.12 Q8.1 ; 72.83,75.12 Q4.13
Net-(Q8A-D): length 2.7
  Bottom w0.3: Q8.2 74.48,76.82 75.43,75.87 Q8.6
Net-(R16-Pad2): length 5.6
  Top w0.25: R32.2 52.69,39.32 53.94,39.32 R17.1 55.76,40.35 R16.2
Net-(R29-Pad1): length 2.3
  Top w0.25: R29.1 55.84,33.32 55.54,33.62 U1.2
Net-(R31-Pad1): length 11.1
  Top w0.25: R31.1 51.06,40.85 51.06,37.27 v1(51.04,37.25) ; v1(53.34,33.22) 53.59,32.97 U1.1
  Bottom w0.25: v1(51.04,37.25) 53.34,34.95 v1(53.34,33.22)
Net-(R65-Pad2): length 1.6
  Bottom w0.25: 65.99,27.97 66.06,27.9
  Bottom w0.4: 64.52,27.76 66.05,27.76
Net-(U1A--): length 2.7
  Top w0.25: R28.2 57.31,34.95 54.65,34.95 U1.4
Net-(U1B-+): length 9.9
  Top w0.25: U1.7 54.98,37.22 v1(55.78,37.22) ; 59.89,31.72 R30.2 R29.2 58.26,33.55 58.26,35.32 57.66,35.92 v1(57.66,36.32)
  Bottom w0.25: v1(55.78,37.22) 56.76,37.22 v1(57.66,36.32)
Net-(U1B--): length 5.8
  Top w0.25: R18.2 57.66,39.1 57.66,37.5 R19.1 56.39,36.22 U1.6
Net-(U1C-+): length 8.9
  Top w0.25: R32.1 50.24,36.82 49.64,36.22 U1.9 48.16,36.22 47.96,36.02 45.01,36.02 43.96,34.97 43.96,34.8
Net-(U1C--): length 8.7
  Top w0.25: C22.2 48.76,37.01 U1.8 47.19,36.87 R35.2 R33.2 ; C22.2 48.79,38.52 R31.2 ; C22.2 C23.2
Net-(U1D-+): length 12
  Top w0.25: U1.11 47.24,34.92 R35.1 47.36,34.81 D7.1 47.36,33.17 47.56,32.97 ; R34.2 44.18,32.92 47.51,32.92 47.56,32.97 ; 47.56,32.97 U1.14 v1(50.06,32.97)
  Bottom w0.25: v1(50.06,32.97) 50.33,32.97 R36.1
Net-(U1D--): length 9.2
  Top w0.25: U1.10 50.39,35.57 C24.2 54.81,38.55 R17.2 55.61,38.7 R18.1
Net-(U3-ILIM): length 3
  Top w0.25: U3.5 61.05,42.22 61.4,41.87 61.4,39.98 R23.2
Net-(U8-C1): length 1.3
  Top w0.127: C31.1 44.73,57.09 U8.5
Net-(U10-PG): length 2.1
  Bottom w0.25: R43.1 45.83,23.2 U10.6
Net-(U10-SS): length 4
  Bottom w0.25: C36.1 49.09,23.32 48.39,24.02 47.39,24.02 46.99,24.42 U10.4
Net-(U10-SW1): length 6.9
  Bottom w0.25: U10.11 U10.10 38.58,23.77 C27.1 36.52,24.09 35.49,25.12 L1.1
Net-(U10-VBST): length 1.8
  Bottom w0.25: 38.19,25.1 40,25.1 U10.12
Net-(U10-VFB): length 3.8
  Bottom w0.25: R40.2 49.24,26.3 R38.1 47.21,25.72 U10.2
Net-(U10-VREG5): length 3.7
  Bottom w0.25: C37.1 49.29,24.85 R43.2 47.56,25.07 U10.3
Net-(U13-SENSE/ADJ): length 4.5
  Bottom w0.4: R63.2 35.06,33.3 R64.1 36.92,32.11 U13.5
Net-(U17-CV): length 1.8
  Bottom w0.25: C46.1 27.81,35.75 U17.5
Net-(U17-DIS): length 5.2
  Bottom w0.25: C45.1 28.13,33.57 29.92,35.37 29.92,35.75 U17.7
Net-(U17-Q): length 2.7
  Bottom w0.25: U20.2 31.16,29.18 29.92,30.42 29.92,30.8
Net-(U19-ILIM): length 3.3
  Top w0.25: R46.2 71.77,36.94 72.19,36.51 U19.5
Net-(U21-ILIM): length 3.3
  Bottom w0.25: U21.5 73.12,42.65 72.79,42.97 R51.2
Net-(U22-ILIM): length 3
  Top w0.25: R47.2 72.37,18.86 72.37,20.05 72.72,20.4 73.19,20.4
Net-(U23-ILIM): length 3.6
  Top w0.25: 13.76,27.73 14.23,27.73 14.87,27.09 14.87,26.66 16.11,25.42 R48.2
Net-(U24-ILIM): length 3.1
  Bottom w0.25: U24.5 72.38,23.8 72.16,23.57 72.16,21.5

## Copper pours and planes (outline as drawn; the poured copper is in the pictures)
3.3V on Top: -3.35,84.83 90.01,84.78 90.01,8 88.58,7.13 -3.37,7.16 -3.35,7.17
3.3V on In2.Cu: -3.35,96.87 89.78,96.87 89.78,-1.77 88.65,-2.9 2.38,-2.9 -3.42,2.9 -3.42,96.8
GND on Bottom: 63.07,30.23 62.17,30.23 62.17,34.33 66.67,34.33 66.67,32.13 63.07,32.13
GND on Bottom: -3.27,84.8 89.63,84.8 89.63,7.96 88.8,7.13 -0.18,7.13 -3.5,10.45 -3.5,84.57
GND on In1.Cu: -3.57,96.94 90.01,96.94 90.01,-2.52 89.78,-2.75 2.84,-2.75 -3.57,3.66
VBUSP on Bottom: 37.66,31.07 37.66,25.57 41.66,25.57 41.66,31.07
(no net) on Top: 10.54,86.5 0.04,86.5 0.04,92.5 10.54,92.5
(no net) on Top: 87.01,86.48 77.01,86.48 77.01,92.48 87.01,92.48
(no net) on Top: 13.66,92.07 13.66,85.77 42.36,85.77 42.36,91.97 42.26,92.07
V_BACKUP on Top: 64.31,22.97 64.36,12.57 61.16,10.22 50.76,10.22 48.51,12.37 48.51,22.77 51.26,25.87 61.26,25.87

## Text on the board
B.Silkscreen: 3v3 Reg | JLCJLCJLCJLC | Hubble Space Telescope / Nebulosity in The Pleiades
Top: PySquared Flight Controller Board V5 Dev Board By Nicole Maggard & Michael Pham | {dblquote}The object isn't to make art, it's to be in that wonderful state which makes art inevitable.{dblquote} / - Robert Henri | 2 | 3Py
F.Mask: PySquared Flight Controller Board V5 Dev Board By Nicole Maggard & Michael Pham | {dblquote}The object isn't to make art, it's to be in that wonderful state which makes art inevitable.{dblquote} / - Robert Henri | 2 | 3Py
F.Silkscreen: RF Power Selector | USB PWR ON | USB PWR OFF | Wait its all / open source? | Always has been! | Pet Every 26s or Less! / Or Your Money Back! | Top Cap / Debug | Reminder: / If RFM9xPW (Large Radio) / is used center pads on board / must be masked with kapton | 5V | SPI | USBBoot | Made with the help of LMAO and LMBFAO | RST | SCL1 | SDA1 | GND | 3v3 | RX | TX | 33cm Band / Radio | 70cm Band / Radio | I2C STEMMA / QWIIK | USB
